# KiCad board LED_poi.kicad_pcb
date: 2024-01-03; rev: A
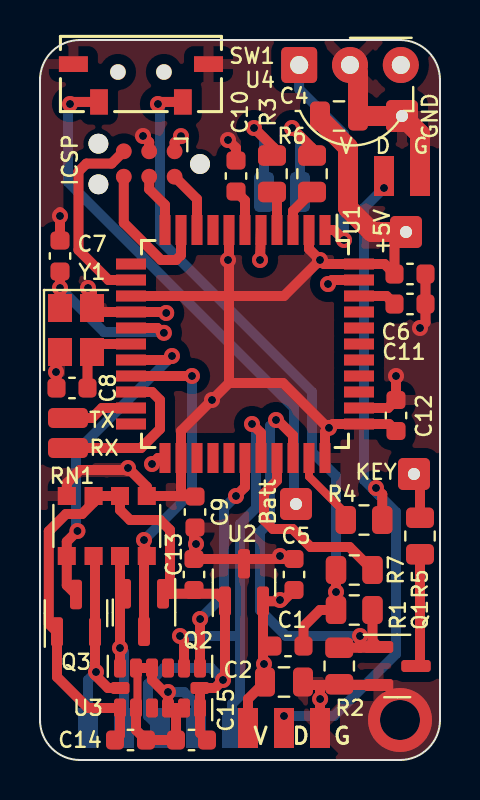
[diagram p0: board, top side]
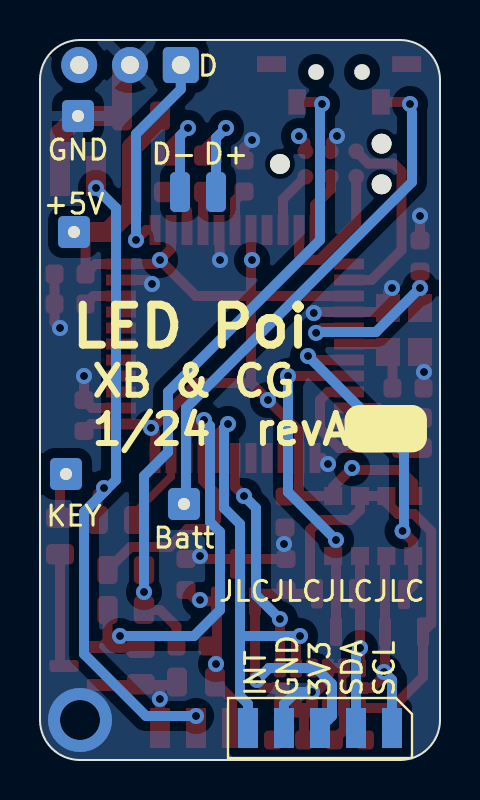
[diagram p1: board, bottom side, seen from below]

Outline 20 x 36 mm; copper layers: Top, In1.Cu, In2.Cu, Bottom. Coordinates in mm from the lower left corner of the outline.
Outline path: 0,34 arc(0.59,35.41) 2,36 18,36 arc(19.41,35.41) 20,34 20,2 arc(19.41,0.59) 18,0 2,0 arc(0.59,0.59) 0,2 0,34
Stack: Top 0.035mm / dielectric 0.1mm FR4 er 4.5 / In1.Cu 0.035mm / dielectric 1.24mm FR4 er 4.5 / In2.Cu 0.035mm / dielectric 0.1mm FR4 er 4.5 / Bottom 0.035mm

## Placement (name value [footprint] x y rotation side)
C1  100n  [C_0603_1608Metric]  12.4 5.7 180 top
C2  10u  [C_0805_2012Metric]  12.2 3.9 0 top
C4  10u  [C_0805_2012Metric]  14.95 32.2 0 top
C5  100n  [C_0603_1608Metric]  12.7 9.28 90 top
C6  100n  [C_0603_1608Metric]  18.5 24.3 0 top
C7  22p  [C_0603_1608Metric]  1 25.2 90 top
C8  22p  [C_0603_1608Metric]  1.6 18.6 180 top
C9  100n  [C_0603_1608Metric]  7.75 12.4 270 top
C10  1u  [C_0603_1608Metric]  9.8 29.2 90 top
C11  1u  [C_0603_1608Metric]  18.5 22.8 0 top
C12  100n  [C_0603_1608Metric]  17.8 17.22 90 top
C13  2u2  [C_0603_1608Metric]  7.7 9.28 90 top
C14  100n  [C_0603_1608Metric]  4.53 1 0 top
C15  100n  [C_0603_1608Metric]  7.58 1 180 top
J1  V  D  G  [1x03_BrdEdge_wirePad]  17.2 29.2 180 top
J3  V  D  G  [1x03_BrdEdge_wirePad]  12.2 1.6 180 top
J4  D+  [SolderWirePad_1x01_SMD_1x2mm]  11.2 28.4 0 bottom
J5  Batt  [SolderWire-0.1sqmm_1x01_D0.4mm_OD1mm]  12.8 12.8 0 top
J6  +5V  [SolderWire-0.1sqmm_1x01_D0.4mm_OD1mm]  18.3 26.4 0 top
J7  KEY  [SolderWire-0.1sqmm_1x01_D0.4mm_OD1mm]  18.7 14.3 0 top
J8  D-  [SolderWirePad_1x01_SMD_1x2mm]  13 28.4 0 bottom
J9  GND  [SolderWire-0.1sqmm_1x01_D0.4mm_OD1mm]  18.1 32.2 0 top
J10  ICSP  [Tag-Connect_TC2030-IDC-NL_2x03_P1.27mm_Vertical]  5.46 29.8 180 top
J11  Ext_ACC  [1x05_BrdEdge_wirePad]  6 1.6 0 bottom
J12  RX  [SolderWirePad_1x01_SMD_1x2mm]  1.4 15.6 90 top
J13  TX  [SolderWirePad_1x01_SMD_1x2mm]  1.4 17.1 90 top
Q1  2N7002  [SOT-23]  17.86 4.7 0 top
Q2  2N7002  [SOT-23]  5.2 7.38 270 top
Q3  2N7002  [SOT-23]  1.8 7.34 90 top
R1  10k  [R_0805_2012Metric]  15.71 7.5 180 top
R2  100k  [R_0805_2012Metric]  14.96 4.7 90 top
R3  22  [R_0805_2012Metric]  11.6 29.31 270 top
R4  10  [R_0805_2012Metric]  16.2 12 0 top
R5  10k  [R_0805_2012Metric]  19 11.2 270 top
R6  22  [R_0805_2012Metric]  13.6 29.31 270 top
R7  10k  [R_0805_2012Metric]  15.71 9.5 0 top
RN1  10k  [R_Array_Convex_4x1206]  3.34 11.7 90 top
SW1  SW_Push  [TL3330]  5.05 34.3 180 top
U1  ATmega32U4-A  [TQFP-44_10x10mm_P0.8mm]  10.25 20.8 270 top
U2  ~  [SOT-23]  10.2 8.88 90 top
U3  ADXL343  [LGA-14_3x5mm_P0.8mm_LayoutBorder1x6y]  6 3.6 90 top
U4  TSOP23xx  [Vishay_MOLD-3Pin]  12.96 34.75 0 top
Y1  16MHz  [Crystal_SMD_SeikoEpson_FA238-4Pin_3.2x2.5mm]  1.8 21.5 270 top

## Library data of the parts
C1 C2 C4-C15 = -: Description: Unpolarized capacitor
J1 J3 = -: Description: Generic connector, single row, 01x03, script generated (kicad-library-utils/schlib/autogen/connector/); DNP: x
J4-J9 J12 J13 = -: Description: Generic connector, single row, 01x01, script generated; DNP: x
J10 = -: Description: Atmel 6-pin ISP connector; DNP: x
J11 = -: Description: Generic connector, single row, 01x05, script generated (kicad-library-utils/schlib/autogen/connector/); DNP: x
Q1-Q3 = -: Description: 0.115A Id, 60V Vds, N-Channel MOSFET, SOT-23
R1-R7 = -: Description: Resistor
RN1 = -: Description: 4 resistor network, parallel topology
U1 = -: Description: 16MHz, 32kB Flash, 2.5kB SRAM, 1kB EEPROM, USB 2.0, TQFP-44
U3 = -: Description: 3-Axis MEMS Accelerometer, 2/4/8/16g range, I2C/SPI, LGA-14
U4 = -: Description: Photo Modules for PCM Remote Control Systems
Y1 = -: Description: Four pin crystal, GND on pins 2 and 4

## Footprints (pads in the part's own frame, mm; a bottom-side part is the same pattern mirrored in y, then rotated)
1x03_BrdEdge_wirePad
  rect 1x2 smd: 1(-1.8,0) 2(0,0) 3(1.8,0)
1x05_BrdEdge_wirePad
  rect 1x2 smd: 1(-3.6,0) 2(-1.8,0) 3(0,0) 4(1.8,0) 5(3.6,0)
C_0603_1608Metric
  rrect 0.9x0.95 smd: 1(-0.775,0) 2(0.775,0)
C_0805_2012Metric
  rrect 1x1.45 smd: 1(-0.95,0) 2(0.95,0)
Crystal_SMD_SeikoEpson_FA238-4Pin_3.2x2.5mm
  rect 1.4x1.2 smd: 1(-1.1,-0.8) 2(1.1,-0.8) 3(1.1,0.8) 4(-1.1,0.8)
LGA-14_3x5mm_P0.8mm_LayoutBorder1x6y
  rrect 0.95x0.6 smd: 1(-1,2) 2(-1,1.2) 3(-1,0.4) 4(-1,-0.4) 5(-1,-1.2) 6(-1,-2) 8(1,-2) 9(1,-1.2) 10(1,-0.4) 11(1,0.4) 12(1,1.2) 13(1,2)
  rrect 0.6x0.95 smd: 7(0,-2) 14(0,2)
R_0805_2012Metric
  rrect 1.025x1.4 smd: 1(-0.912,0) 2(0.912,0)
R_Array_Convex_4x1206
  rect 0.9x0.9 smd: 1(-1.5,2) 2(-1.5,0.66) 3(-1.5,-0.66) 4(-1.5,-2) 5(1.5,-2) 6(1.5,-0.66) 7(1.5,0.66) 8(1.5,2)
SolderWire-0.1sqmm_1x01_D0.4mm_OD1mm
  rrect 1.6x1.6 hole 0.6: 1(0,0)
SolderWirePad_1x01_SMD_1x2mm
  rrect 1x2 smd: 1(0,0)
SOT-23
  rrect 1.475x0.6 smd: 1(-0.938,0.95) 2(-0.938,-0.95) 3(0.938,0)
Tag-Connect_TC2030-IDC-NL_2x03_P1.27mm_Vertical
  round 0.991 hole 0.991 unplated: (-2.54,0) (2.54,1.016) (2.54,-1.016)
  round 0.787 smd: 1(-1.27,-0.635) 2(-1.27,0.635) 3(0,-0.635) 4(0,0.635) 5(1.27,-0.635) 6(1.27,0.635)
TL3330
  round 0.8 hole 0.762 unplated: (-1.15,-0.1) (1.15,-0.1)
  rect 0.889x1.27 smd: 1(-2.095,1.397) 2(2.095,1.397)
  rect 1.448x0.787 smd: 3(-3.378,-0.495) 4(3.378,-0.495)
TQFP-44_10x10mm_P0.8mm
  rect 1.5x0.55 smd: 1(-5.7,4) 2(-5.7,3.2) 3(-5.7,2.4) 4(-5.7,1.6) 5(-5.7,0.8) 6(-5.7,0) 7(-5.7,-0.8) 8(-5.7,-1.6) 9(-5.7,-2.4) 10(-5.7,-3.2) 11(-5.7,-4) 23(5.7,-4) 24(5.7,-3.2) 25(5.7,-2.4) 26(5.7,-1.6) 27(5.7,-0.8) 28(5.7,0) 29(5.7,0.8) 30(5.7,1.6) 31(5.7,2.4) 32(5.7,3.2) 33(5.7,4)
  rect 0.55x1.5 smd: 12(-4,-5.7) 13(-3.2,-5.7) 14(-2.4,-5.7) 15(-1.6,-5.7) 16(-0.8,-5.7) 17(0,-5.7) 18(0.8,-5.7) 19(1.6,-5.7) 20(2.4,-5.7) 21(3.2,-5.7) 22(4,-5.7) 34(4,5.7) 35(3.2,5.7) 36(2.4,5.7) 37(1.6,5.7) 38(0.8,5.7) 39(0,5.7) 40(-0.8,5.7) 41(-1.6,5.7) 42(-2.4,5.7) 43(-3.2,5.7) 44(-4,5.7)
Vishay_MOLD-3Pin
  rrect 1.8x1.8 hole 0.9: 1(0,0)
  round 1.8 hole 0.9: 2(2.54,0) 3(5.08,0)

## Nets
+3.3V: C13.1 C14.1 C15.1 J11.3 Q2.1 Q3.1 RN1.6 RN1.7 U2.1 U3.1 U3.6 U3.7
GND: C2.2 C4.2 C5.2 C6.2 C7.2 C8.2 C9.2 C10.2 C11.2 C12.2 C13.2 C14.2 C15.2 J1.1 J3.1 J9.1 J10.3 J11.4 Q1.2 R2.1 SW1.3 SW1.4 U1.5 U1.15 U1.23 U1.35 U1.43 U2.3 U3.2 U3.4 U3.5 U3.11 U3.12 U4.2 Y1.2 Y1.4
VCC: C1.2 C2.1 C4.1 C5.1 C6.1 C9.1 C12.1 J1.3 J3.3 J6.1 J10.1 RN1.5 RN1.8 U1.2 U1.7 U1.14 U1.24 U1.33 U1.34 U1.44 U2.2 U4.3
+BATT: J5.1 SW1.2
/ACC_INT1: U1.28 U3.8
/ACC_INT2: J11.5 U1.29 U3.9
/AREF: C11.1 U1.42
/Button: R7.2 U1.30
/Data: J1.2 J3.2 R4.2
/IR_RX: U1.1 U4.1
/KEY: J7.1 R5.1
/LED_Data: R4.1 U1.32
/MISO: J10.4 U1.11
/MOSI: J10.6 U1.10
/PWR: Q1.1 R1.1 R2.2 U1.31
/RX: J12.1 U1.20
/SCK: J10.2 U1.9
/SCL: Q3.3 RN1.1 U1.18
/SCL_3V3: J11.1 Q3.2 RN1.2 U3.14
/SDA: Q2.3 RN1.4 U1.19
/SDA_3V3: J11.2 Q2.2 RN1.3 U3.13
/TX: J13.1 U1.21
/UCAP: C10.1 U1.6
/XTAL1: C8.1 U1.17 Y1.3
/XTAL2: C7.1 U1.16 Y1.1
/~{RST}: J10.5 U1.13
Net-(J4-Pin_1): J4.1 R3.1
Net-(J8-Pin_1): J8.1 R6.1
Net-(Q1-D): Q1.3 R5.2
Net-(SW1-A): C1.1 R1.2 R7.1 SW1.1
Net-(U1-D+): R3.2 U1.4
Net-(U1-D-): R6.2 U1.3

Pads without a net: U1 8 12 22 25 26 27 36 37 38 39 40 41; U3 3 10

## Via types
v1: diameter 0.8, hole 0.4, Top to Bottom, 47 vias
v2: diameter 3.2, hole 2, Top to Bottom, 1 via

## Routing (per net, layer and track width the routed paths; a pad name or vN(x,y) marks a point on that pad's centre or on a via; arc(x,y) is an arc through that point)
+3.3V: length 42.2
  Top w0.5: Q2.1 6.5,8.31 ; 6.5,8.31 8.88,8.31 U2.1 9.25,4.1 ; 6.5,8.31 6.5,11.5 6,12 4.5,12 4,12.5 RN1.6 RN1.7 2.68,12.88 2.1,12.3 1.3,12.3 0.44,11.44 0.44,6.81 Q3.1 0.85,4.15 2.4,2.6 U3.1 4,1.25 C14.1 ; v1(9.15,4) 8.75,3.6 U3.7 8,1.35 C15.1
  Bottom w0.5: J11.3 5.4,2.2 5.4,3.8 6.2,4.6 8.55,4.6 v1(9.15,4)
GND: length 54.9
  Top w0.4: U3.12 4.88,4.53 4.88,2.67 U3.2
  Top w0.5: Y1.2 0.83,20.23 0.83,19.42 v1(0.8,19.4) 0.83,19.38 C8.2 ; v1(19,21.6) 19.28,21.88 C11.2 C6.2 ; Q1.2 14,3.75 ; 14,3.75 13.3,3.75 C2.2 ; 14,3.75 14,3.06 v1(14.01,3.05) 14,3.04 J3.1 ; U3.12 U3.11 5.6,4 6.2,3.4 ; 11.05,25.05 v1(11,25) U1.5 ; v1(14.4,23.8) 14.6,24 U1.43 ; C10.2 9.8,30.6 v1(9.4,31) ; v1(2.4,23.6) 2.6,23.4 Y1.4 2.8,22.4 U1.15 6.26,22.4 v1(6.31,22.35) ; U3.2 4.8,1.5 C14.2 C15.2 6.8,2.6 ; 6.4,3.2 U3.4 6.8,2.6 ; v1(5.15,31.2) 5.46,30.89 5.46,30.44 ; U1.35 17.4,17.6 C12.2 v1(17.8,19.2) ; C7.2 v1(1,27.2) 1,27.4 ; v1(5.6,14.8) 5.9,15.1 U1.23 ; C9.2 7.7,11.58 7.7,10.9 v1(7.8,10.8) 7.7,10.7 C13.2 11.85,10.05 v1(12,10.2) 12.15,10.05 C5.2 ; U3.5 6.8,2.6
  Top w1: J1.1 19,31.3 J9.1 C4.2 15.9,34.35 U4.2
  Bottom w0.5: v1(6.4,3.4) 7.2,3.4 7.8,2.8 J11.4
  vias: v2(18,2)
VCC: length 70.2
  Top w0.5: v1(14,25) 14.2,24.8 U1.44 17.22,24.8 C6.1 17.72,25.83 J6.1 ; v1(14,25) 13.45,25.55 U1.2 ; v1(14,25) 12.2,23.2 9.6,23.2 ; 9.45,23.35 9.45,24.95 v1(9.4,25) 9.45,25.05 U1.7 ; 9.45,23.35 9.6,23.2 ; 9.45,23.35 9.45,18.85 ; v1(14.45,16.61) 14.39,16.61 12.15,18.85 9.45,18.85 ; v1(14.45,16.61) 14.25,16.41 U1.33 ; v1(14.45,16.61) 14.64,16.8 U1.34 17.45,16.8 C12.1 ; U1.14 9.6,23.2 ; C5.1 12.14,7.94 12.06,7.94 v1(12,8) 11.94,7.94 U2.2 11.15,4.85 v1(11.2,4.8) 11.15,4.75 11.15,4 C2.1 10.4,3.05 J3.3 ; v1(7.05,31.19) 6.73,30.87 6.73,30.44 ; 9.45,18.85 v1(8.6,18) 7.05,16.45 U1.24 7.05,13.25 7,13.2 ; 7,13.2 RN1.5 5.34,13.66 v1(4.4,14.6) 4.3,14.5 2,14.5 1.34,13.84 RN1.8 ; 7,13.2 7.72,13.2 C9.1
  Top w1: 14,32.03 15.4,30.63 J1.3 15.4,27.6 16.6,26.4 J6.1 ; 18.1,34.69 U4.3
+BATT: length 25.8
  Top w0.5: SW1.2 1.6,32.9 v1(1.5,32.8)
  Bottom w0.5: 1.4,32.4 1.4,28.9 12.7,17.6 12.7,12.9 J5.1
/ACC_INT1: length 11.4
  Top w0.5: U1.28 10.25,13.65 v1(9.8,13.2) ; U3.8 8,7.04 v1(8.01,7.05)
  Bottom w0.5: v1(8.01,7.05) 9.2,8.24 9.2,12.6 v1(9.8,13.2)
/ACC_INT2: length 22.3
  Top w0.5: v1(7,6.2) 7.2,6 U3.9 ; v1(10.6,16.8) 11.05,16.35 U1.29
  Bottom w0.5: 10,6.2 10,11.8 10.8,12.6 10.8,16.6 v1(10.6,16.8) ; 10,6.2 10,3.2 9.6,2.8 J11.5 ; 10,6.2 v1(7,6.2)
/AREF: length 1.9
  Top w0.5: U1.42 17.33,23.2 C11.1
/Button: length 9.8
  Top w0.5: U1.30 11.85,13.97 11.2,13.33 11.2,12 11.65,11.55 12.63,11.55 13.53,10.65 15.47,10.65 R7.2
/Data: length 33.6
  Top w0.5: v1(16.8,13.6) 17.11,13.29 R4.2
  Bottom w0.5: v1(12.2,2.2) 14.7,2.2 17.8,5.3 17.8,12.4 17.1,13.1 ; v1(16.8,13.6) 16.8,13.4 17.1,13.1 ; 17.1,13.1 16.2,14 16.2,27.6 v1(17.2,28.6)
/IR_RX: length 10.8
  Top w0.5: v1(15.2,26) 14.7,26.5 U1.1
  Bottom w0.5: v1(15.2,26) 15.2,31.3 12.96,33.54 U4.1
/KEY: length 2.3
  Top w0.5: J7.1 19,14 R5.1
/LED_Data: length 3.9
  Top w0.4: U1.32 13.45,14.17 15.29,12.33 R4.1
/MISO: length 3
  Top w0.5: J10.4 5.46,28.54 6.25,27.75 U1.11
/MOSI: length 7.3
  Top w0.5: J10.6 4.19,26.86 6.05,25 6.8,25 7.05,25.25 U1.10
/PWR: length 22.5
  Top w0.5: 16,5.61 16.89,5.61 Q1.1 ; 16,5.61 R2.2 ; 16,5.61 v1(16,6.2) ; Q1.1 16.55,5.65 ; Q1.1 16.62,5.95 R1.1 ; 11.88,17 12.65,16.22 U1.31
  Bottom w0.5: v1(16,6.2) 12.3,6.2 11,7.5 11,11.4 11.5,11.9 11.5,16.7 v1(11.8,17)
/RX: length 8.1
  Top w0.5: U1.20 5.6,18.4 6,18 6,16.55 5.05,15.6 J12.1
/SCK: length 3.1
  Top w0.5: J10.2 7.85,28.05 U1.9
/SCL: length 16.5
  Top w0.5: v1(1.87,11.45) 1.34,10.92 RN1.1 1.34,8.73 Q3.3 ; v1(6.6,20.2) 6.4,20 U1.18
  Bottom w0.5: v1(1.87,11.45) 1.8,11.52 1.8,15.4 v1(6.6,20.2)
/SCL_3V3: length 10.5
  Top w0.5: RN1.2 2.75,10.13 Q3.2 2.75,4.45 v1(2.8,4.4) 2.75,4.35 2.75,4.25 3.4,3.6 U3.14
  Bottom w0.5: J11.1 2.4,4 v1(2.8,4.4)
/SDA: length 16.9
  Top w0.5: Q2.3 5.2,10.06 RN1.4 v1(5.2,11) ; U1.19 v1(7.6,19.2)
  Bottom w0.5: v1(7.6,19.2) 7.6,13.4 v1(5.2,11)
/SDA_3V3: length 10.5
  Top w0.5: U3.13 v1(4,5.6) 4,9 ; 4,9 4,8.56 Q2.2 ; 4,9 RN1.3
  Bottom w0.5: J11.2 4.2,5.4 v1(4,5.6)
/TX: length 3.4
  Top w0.5: J13.1 2.6,17.1 3.1,17.6 U1.21
/UCAP: length 2.1
  Top w0.5: U1.6 10.25,27.98 9.8,28.42
/XTAL1: length 4
  Top w0.5: U1.17 3,20.8 Y1.3 2.38,20.17 C8.1
/XTAL2: length 9.7
  Top w0.5: 1,24.42 v1(1,23.6) Y1.1 ; v1(6.2,21.36) 6.11,21.36 5.87,21.6 U1.16
  Bottom w0.5: v1(6.2,21.36) 6.15,21.4 3.2,21.4 v1(1,23.6)
/~{RST}: length 9.9
  Top w0.5: 4.19,30.44 3.58,29.82 2.32,29.82 1.92,29.42 1.92,25.5 3.42,24 U1.13
Net-(J4-Pin_1): length 5.2
  Top w0.5: 11.7,30.23 11.7,30.6 v1(10.7,31.6)
  Bottom w0.5: J4.1 11.2,31.1 v1(10.7,31.6)
Net-(J8-Pin_1): length 5.2
  Top w0.5: R6.1 13.6,30.6 v1(12.6,31.6)
  Bottom w0.5: J8.1 13,31.2 v1(12.6,31.6)
Net-(Q1-D): length 5.7
  Top w0.5: Q1.3 19,4.9 R5.2
Net-(SW1-A): length 34.2
  Top w0.5: SW1.1 6,32.9 ; C1.1 13.17,6.67 14,7.5 R1.2 v1(14.8,8.4) R7.1
  Bottom w0.5: v1(5.9,32.8) 6,32.7 6,26 13.6,18.4 13.6,15.4 14.8,14.2 v1(14.8,8.4)
Net-(U1-D+): length 2
  Top w0.5: R3.2 11.85,28.15 U1.4
Net-(U1-D-): length 2.3
  Top w0.5: R6.2 12.65,27.45 U1.3

## Copper pours and planes (outline as drawn; the poured copper is in the pictures)
GND on Top, Bottom, In2.Cu: 0,36 20,36 20,0 0,0
VCC on Top: 18.5,12.5 18.5,17 17,18.5 17,22.5 18.5,24 18.5,25 19,25.5 19,27.5 15.5,31 15.5,36 13.5,36 13,35.5 13,27.5 3.5,27.5 3.5,18.5 2,17 0,17 0,12.5
VCC on In1.Cu: 0,36 20,36 20,0 0,0

## Text on the board
B.Silkscreen: INT / GND / 3V3 / SDA / SCL | JLCJLCJLCJLC | XB & CG / 1/24  revA | LED Poi
